# Allegro board FMDEMOD-before-back-annote.brd (continued)
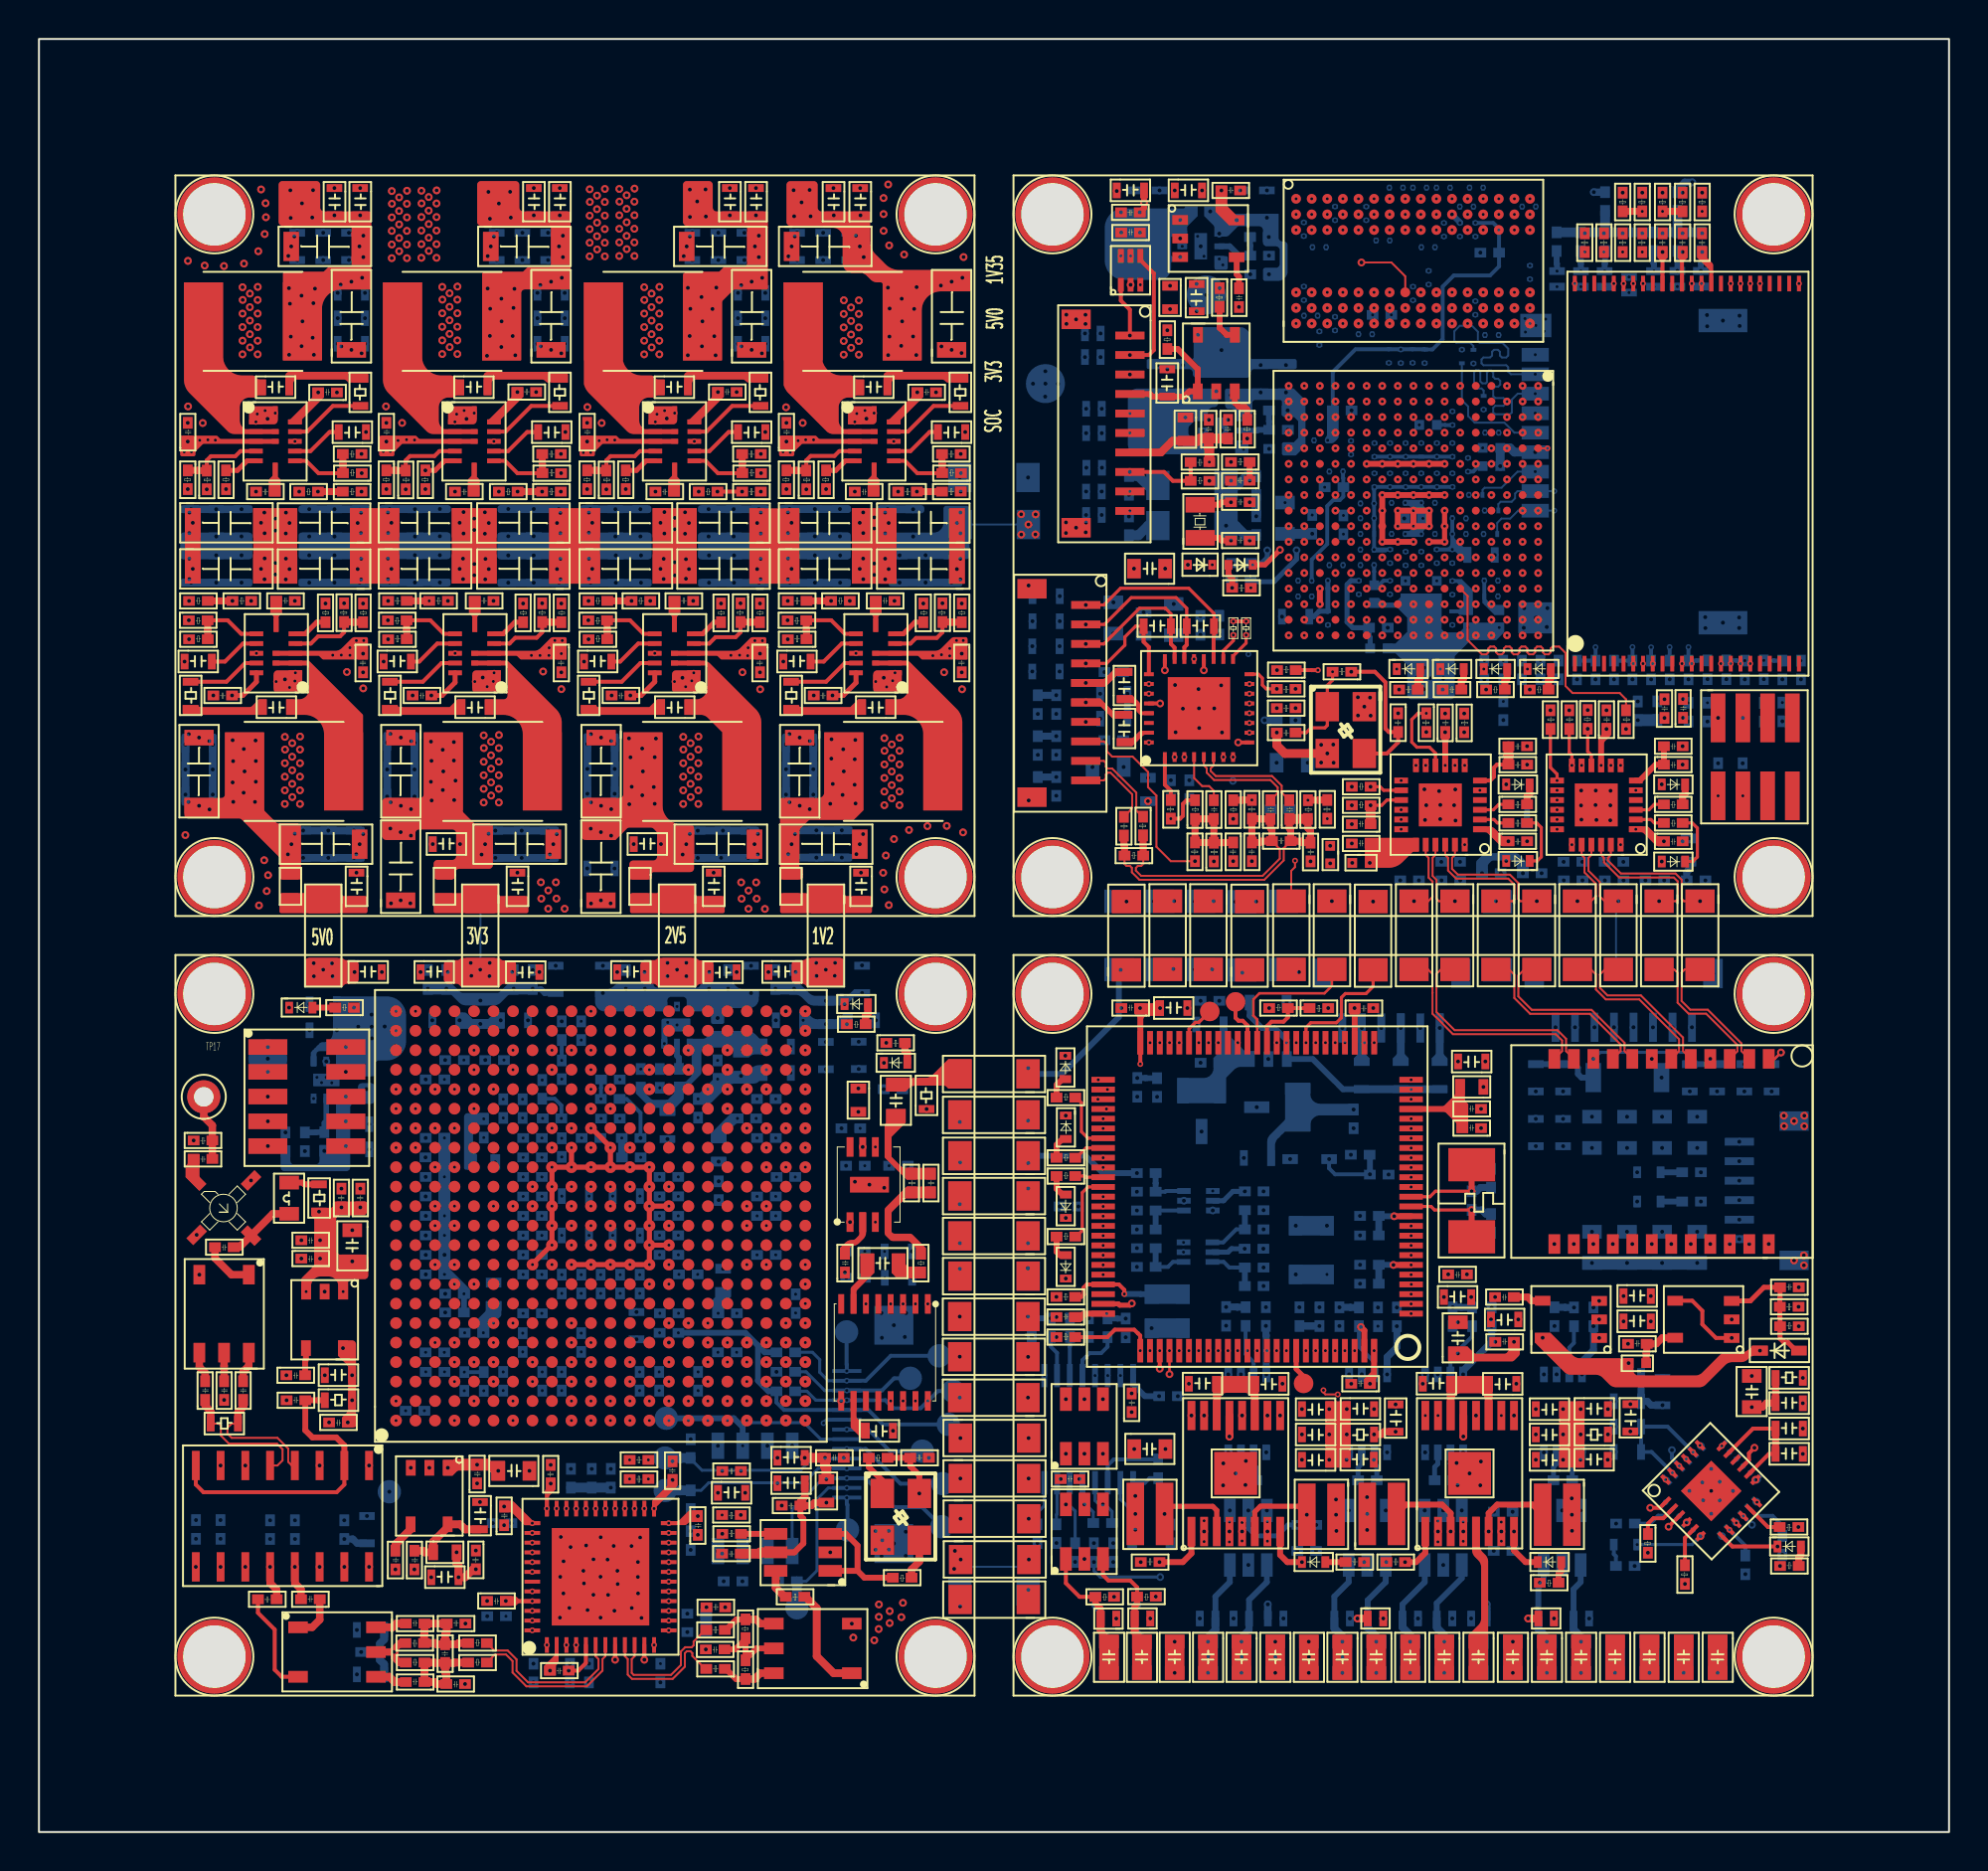
[diagram p0: board, top side]
## Routing (per net, layer and track width the routed paths; a pad name or vN(x,y) marks a point on that pad's centre or on a via; arc(x,y) is an arc through that point) (continued)
A7: length 27.5
  SIGNAL-L3 w0.1: v9(75.7,78.2) 76.06,78.56 77.43,78.56 77.89,78.1 77.89,77.87 77.79,77.77 77.3,77.77 77.19,77.67 77.19,77.47 77.3,77.37 77.79,77.37 77.89,77.27 77.89,77.17 77.99,77.07 78.63,77.07 78.73,76.97 78.73,76.77 78.63,76.67 77.99,76.67 77.89,76.57 77.89,76.37 77.99,76.27 78.63,76.27 78.73,76.17 78.73,75.97 78.63,75.87 77.99,75.87 77.89,75.77 77.89,75.48 77.48,75.07 77.25,75.07 77.15,75.17 77.15,76.96 77.05,77.06 76.87,77.06 76.75,76.95 76.75,75.17 76.65,75.07 76.45,75.07 76.35,75.17 76.35,76.9 75.98,76.9 75.95,76.87 75.95,76 75.85,75.9 75.2,75.9 75.1,75.8 75.1,75.6 75.2,75.5 75.85,75.5 75.95,75.4 75.95,75.17 75.85,75.07 75.07,75.07 74,74.01 74,73.4 73.64,73.04 71.3,73.04 70.9,72.64 70.9,72.22 v9(71.32,71.8)
A8: length 26.7
  SIGNAL-L7 w0.1: v13(76.5,83) 77.08,83 77.22,82.86 77.22,82.05 77.32,81.95 77.92,81.95 78.02,81.85 78.02,81.65 77.92,81.55 77.32,81.55 77.22,81.45 77.22,81.25 77.32,81.15 77.92,81.15 78.02,81.05 78.02,80.85 77.92,80.75 77.32,80.75 77.22,80.65 77.22,79.76 77.32,79.66 77.58,79.66 77.65,79.59 77.65,79.34 77.58,79.26 77.32,79.26 77.22,79.16 77.22,78.85 77.12,78.75 76.34,78.75 76.1,78.5 76.1,78.12 75.3,77.32 75.3,74.93 74.78,74.41 74.78,74.27 75.17,73.88 75.17,73.74 75.03,73.6 74.89,73.6 74.5,73.99 74.36,73.99 74.19,73.83 73.87,73.83 73.6,73.55 73.6,72.54 73.7,72.44 73.8,72.44 73.93,72.31 73.93,72.17 73.8,72.04 73.39,72.04 73.29,71.94 73.29,71.74 73.46,71.57 73.46,70.52 72.81,69.87 70.22,69.87 69.75,70.34 69.75,71.03 v13(70.52,71.8)
A9: length 29.5
  SIGNAL-L4 w0.1: v15(75.7,79) 78.59,79 79.53,78.06 79.53,77.46 79.63,77.36 80.31,77.36 80.41,77.26 80.41,77.06 80.31,76.96 79.42,76.96 79.32,76.86 79.32,76.66 79.42,76.56 80.31,76.56 80.41,76.46 80.41,76.26 80.31,76.16 79.42,76.16 79.32,76.06 79.32,75.86 79.42,75.76 80.31,75.76 80.41,75.66 80.41,75.46 80.31,75.36 79.42,75.36 79.32,75.26 79.32,75.06 79.42,74.96 80.31,74.96 80.41,74.86 80.41,74.66 80.31,74.56 79.42,74.56 79.32,74.46 79.32,74.26 79.42,74.16 80.31,74.16 80.41,74.06 80.41,73.86 80.31,73.76 79.42,73.76 79.32,73.66 79.32,73.31 79,73 74.95,73 74.61,73.34 72.84,73.34 72.52,73.02 69.3,73.02 v15(68.92,73.4)
A10: length 28.7
  SIGNAL-L3 w0.1: v9(68.12,71.8) 68.53,72.21 68.53,74.6 68.43,74.7 67.12,74.7 67.02,74.8 67.02,75 67.2,75.18 68.13,75.18 68.53,75.58 68.53,76.4 69.76,77.62 69.76,79.2 69.45,79.51 68.65,79.51 68.35,79.8 68.35,80.71 67.25,81.81 67.25,82.64 66.45,83.44 64.89,83.44 64.69,83.64 64.69,84.43 64.84,84.58 66.95,84.58 67.31,84.22 67.31,83.38 67.69,83 67.69,83 68.09,82.6 72.1,82.6 v9(72.5,82.2)
A11: length 28
  SIGNAL-L7 w0.1: v13(75.7,82.2) 75.7,83.55 76.07,83.92 76.98,83.92 78.44,82.46 78.44,79.8 78.21,79.57 78.21,78.77 75.83,76.4 75.83,73.7 74.44,72.31 74.44,69.88 74,69.44 69.42,69.44 68.94,69.91 68.94,71.18 69.27,71.5 69.27,71.92 69.65,72.3 69.65,72.53 v13(69.72,72.6)
A12: length 26.6
  SIGNAL-L7 w0.1: v13(68.92,71.8) 68.92,72.13 69.19,72.39 69.19,73.05 69.29,73.15 69.91,73.15 70.01,73.25 70.01,73.45 69.91,73.55 69.29,73.55 69.19,73.65 69.19,73.85 69.29,73.95 69.91,73.95 70.01,74.05 70.01,74.25 69.91,74.35 69.29,74.35 69.19,74.45 69.19,75.19 68.99,75.38 68.99,75.53 69.13,75.67 69.27,75.67 69.61,75.33 69.75,75.33 70.61,76.2 70.61,76.34 70.47,76.48 70.33,76.48 70.26,76.4 70.12,76.4 69.97,76.55 69.97,76.69 70.05,76.76 70.05,76.9 69.87,77.09 69.87,77.23 70.01,77.37 70.15,77.37 70.62,76.9 71.1,76.9 71.52,77.32 71.52,78.22 72.1,78.8 72.1,80.06 71.81,80.35 71.81,80.49 71.95,80.63 72.1,80.63 72.44,80.29 72.58,80.29 72.72,80.43 72.72,80.57 72.38,80.92 72.38,81.06 72.52,81.2 72.66,81.2 73.01,80.85 73.15,80.85 73.31,81.02 73.31,81.54 73.21,81.64 72.18,81.64 72.08,81.74 72.08,81.94 72.18,82.04 73.21,82.04 73.31,82.14 73.31,83.67 73.41,83.78 74,83.78 74.1,83.67 v13(74.1,82.2)
A13: length 26.1
  SIGNAL-L3 w0.1: v9(71.32,72.6) 73.8,72.6 74.5,73.31 74.5,73.94 75.23,74.67 78.25,74.67 79.11,75.52 79.11,76.09 79.2,76.19 79.99,76.19 80.09,76.29 80.09,76.49 79.99,76.59 79.2,76.59 79.11,76.69 79.11,76.89 79.2,76.99 79.99,76.99 80.09,77.09 80.09,77.29 79.99,77.39 79.2,77.39 79.11,77.49 79.11,77.72 79.2,77.82 80.53,77.82 80.63,77.92 80.63,78.12 80.53,78.22 80.31,78.22 80.21,78.32 80.21,80.22 79.98,80.46 79.53,80.46 79.3,80.22 79.3,79.42 79.66,79.06 79.66,78.43 79.46,78.22 78.96,78.22 78.75,78.43 78.75,78.84 78.59,79 v9(76.5,79)
A14: length 26.4
  SIGNAL-L7 w0.1: v13(76.5,82.2) 76.12,81.82 76.12,81.48 75.64,81 75.64,80.86 75.8,80.7 75.94,80.7 76.45,81.21 76.59,81.21 76.74,81.07 76.74,80.93 76.23,80.42 76.23,80.28 76.6,79.9 76.6,79.76 76.46,79.62 76.32,79.62 75.36,80.58 75.21,80.58 75.07,80.44 75.07,80.3 76.03,79.34 76.03,79.2 75.89,79.06 75.75,79.06 74.79,80.01 74.65,80.01 74.46,79.83 74.46,79.6 74.58,79.48 74.83,79.48 75.16,79.15 75.16,79.01 75.02,78.86 74.42,78.86 74.31,78.75 74.31,78.55 74.62,78.23 74.93,78.23 75.29,78.59 75.43,78.59 75.6,78.42 75.6,78.25 74.85,77.49 73.94,77.49 73.84,77.39 73.84,77.22 73.91,77.16 74.43,77.16 74.56,77.03 74.56,76.91 74.47,76.81 74.02,76.81 73.92,76.72 73.92,76.52 74.04,76.4 74.68,76.4 74.84,76.24 74.84,76.04 74.74,75.94 74.04,75.94 73.94,75.84 73.94,75.64 74.04,75.54 74.74,75.54 74.84,75.44 74.84,75.24 74.74,75.14 74.49,75.14 74.39,75.04 74.39,74.78 74.18,74.58 73.96,74.58 73.86,74.68 73.86,74.86 73.76,74.96 73.56,74.96 73.46,74.86 73.46,74.68 73.36,74.58 72.5,74.58 v13(72.12,74.2)
A15: length 27.2
  SIGNAL-L3 w0.1: v9(73.3,82.2) 73.3,81.87 73.14,81.71 71.52,81.71 71.42,81.61 71.42,81.47 71.52,81.37 73.23,81.37 73.33,81.27 73.33,81.1 73.2,80.97 71.34,80.97 71.01,81.3 69.28,81.3 69.15,81.17 69.15,80.95 69.25,80.84 70.6,80.84 70.7,80.75 70.7,80.56 70.6,80.46 68.95,80.46 68.79,80.3 68.79,80.06 68.91,79.95 70.29,79.95 70.47,79.77 70.47,76.8 70.09,76.42 69.41,76.42 69.31,76.32 69.31,76.18 69.41,76.08 70.21,76.08 70.31,75.98 70.31,75.78 70.21,75.68 69.41,75.68 69.22,75.5 69.22,75.36 69.4,75.19 69.55,75.19 69.65,75.09 69.65,74.86 69.31,74.51 69.31,71.41 v9(69.72,71)
A_DEMP: length 6
  SIGNAL-L3 w0.1: v9(38.32,23.11) 38.78,22.65 43.49,22.65 43.7,22.45 v9(43.7,22.12)
A_FMT: length 7.8
  SIGNAL-L3 w0.1: v9(44.97,22.12) 44.97,22.74 44.05,23.66 38.77,23.66 v9(38.32,24.11)
A_MUTE: length 5.7
  SIGNAL-L3 w0.1: v9(44.33,22.12) 44.33,22.62 43.84,23.11 v9(39.32,23.11)
AD0: length 15.1
  SIGNAL-L3 w0.1: v9(37.32,22.11) 37.8,21.63 37.8,19.96 37.64,19.79 37.64,14.63 36.58,13.57 36.44,13.57 36.39,13.63 36.24,13.63 36.1,13.49 36.1,13.35 36.16,13.29 36.16,13.15 35.86,12.85 35.66,12.85 35.56,12.75 35.56,12.67 35.46,12.57 35.26,12.57 35.16,12.67 35.16,12.75 35.06,12.85 34.86,12.85 34.76,12.75 34.76,12.67 34.66,12.57 34.46,12.57 34.36,12.67 34.36,12.75 34.26,12.85 34.06,12.85 33.96,12.75 33.96,12.67 33.86,12.57 33.66,12.57 33.56,12.67 33.56,12.75 33.46,12.85 v9(32.31,12.85)
AD1: length 14.6
  SIGNAL-L3 w0.1: v9(37.32,21.11) 37.32,20.15 36.89,19.72 36.89,19.1 37.27,18.71 37.27,18.08 37.17,17.98 36.76,17.98 36.66,17.88 36.66,17.68 36.76,17.58 37.17,17.58 37.27,17.48 37.27,17.28 37.17,17.18 36.76,17.18 36.66,17.08 36.66,16.88 36.76,16.78 37.17,16.78 37.27,16.68 37.27,16.48 37.17,16.38 36.76,16.38 36.66,16.28 36.66,15.18 36.06,14.58 36.06,14.44 36.14,14.36 36.14,14.22 35.99,14.08 35.85,14.08 35.78,14.16 35.63,14.16 35.49,14.02 35.49,13.87 35.57,13.8 35.57,13.66 35.43,13.51 35.29,13.51 35.21,13.59 35.07,13.59 34.82,13.35 v9(32.31,13.35)
AD2: length 14.5
  SIGNAL-L3 w0.1: v9(32.31,13.85) 34.56,13.85 34.88,14.16 34.88,14.3 34.66,14.52 34.66,14.66 34.8,14.8 34.94,14.8 35.16,14.58 35.3,14.58 35.54,14.83 35.54,17.67 35.44,17.77 35.08,17.77 34.98,17.87 34.98,18.01 35.08,18.11 36.13,18.11 36.45,18.43 36.45,19 36.27,19.19 35.87,19.19 35.77,19.29 35.77,19.51 36.81,20.56 36.81,21.62 v9(36.32,22.11)
AD3: length 12.4
  SIGNAL-L3 w0.1: v9(36.32,21.11) 36.32,20.71 34.99,19.38 34.85,19.38 34.57,19.66 34.43,19.66 34.29,19.52 34.29,19.38 34.57,19.1 34.57,18.96 34.36,18.75 34.36,17.61 34.26,17.51 33.77,17.51 33.67,17.41 33.67,17.21 33.77,17.11 34.26,17.11 34.36,17.01 34.36,16.01 34.13,15.78 33.77,15.78 33.67,15.68 33.67,15.51 33.77,15.41 34.26,15.41 34.36,15.31 34.36,15.11 33.59,14.35 v9(32.31,14.35)
AD4: length 14.5
  SIGNAL-L3 w0.1: v9(32.31,14.85) 32.96,14.85 33.22,15.1 33.22,17.09 33.11,17.19 32.18,17.19 32.08,17.29 32.08,17.49 32.18,17.59 33.11,17.59 33.22,17.69 33.22,18.06 33.31,18.16 33.82,18.16 33.92,18.26 33.92,18.46 33.82,18.56 33.31,18.56 33.22,18.66 33.22,18.94 33.55,19.27 33.55,19.42 33.34,19.63 33.34,19.77 33.48,19.91 33.62,19.91 33.84,19.7 33.98,19.7 34.12,19.84 34.12,19.98 33.9,20.2 33.9,20.34 34.05,20.48 34.19,20.48 34.4,20.26 34.54,20.26 34.82,20.54 35.6,20.54 35.8,20.73 35.8,21.64 v9(35.32,22.11)
AD5: length 14.6
  SIGNAL-L7 w0.1: v13(35.32,21.11) 35.55,20.88 35.55,19.49 35.65,19.39 36.2,19.39 36.3,19.29 36.3,19.09 36.2,18.99 35.65,18.99 35.55,18.89 35.55,18.69 35.65,18.59 36.2,18.59 36.3,18.49 36.3,18.29 36.2,18.19 35.65,18.19 35.55,18.09 35.55,17.89 35.65,17.79 36.2,17.79 36.3,17.69 36.3,17.49 36.2,17.39 35.65,17.39 35.55,17.29 35.55,16.54 34.9,15.88 33.34,15.88 32.95,16.27 32.95,16.92 32.62,17.25 31.39,17.25 31.06,16.92 v13(31.06,16.6)
AD6: length 14.1
  SIGNAL-L7 w0.1: v13(30.56,16.6) 30.56,17.17 31.06,17.67 31.47,17.67 31.93,18.13 33.05,18.13 33.36,17.82 33.36,17.28 33.9,16.74 34.4,16.74 34.5,16.84 34.5,17.31 34.4,17.41 33.97,17.41 33.87,17.51 33.87,17.71 33.97,17.81 34.4,17.81 34.5,17.91 34.5,18.18 34.28,18.4 34,18.4 33.9,18.5 33.9,18.7 34,18.8 34.28,18.8 34.38,18.9 34.38,19.1 34.28,19.2 34,19.2 33.9,19.3 33.9,19.5 34,19.6 34.28,19.6 34.38,19.7 34.38,19.93 34.82,20.37 34.82,21.61 v13(34.32,22.11)
AD7: length 14.6
  SIGNAL-L7 w0.1: v13(30.06,16.6) 30.06,17.15 30.29,17.38 30.29,17.74 30.72,18.17 31.17,18.17 31.64,18.64 33.01,18.64 33.11,18.74 33.11,18.94 33.01,19.04 31.64,19.04 31.54,19.14 31.54,20.14 31.89,20.49 32.12,20.49 32.22,20.39 32.22,19.47 32.32,19.37 32.52,19.37 32.62,19.47 32.62,20.39 32.72,20.49 32.92,20.49 33.02,20.39 33.02,19.47 33.12,19.37 33.32,19.37 33.42,19.47 33.42,20.39 33.52,20.49 33.7,20.49 v13(34.32,21.11)
AD8: length 13.6
  SIGNAL-L3 w0.1: v9(28.06,16.6) 28.06,17.3 28.74,17.98 28.96,17.98 29.06,17.88 29.06,17.43 29.16,17.33 29.36,17.33 29.46,17.43 29.46,17.88 29.56,17.98 29.76,17.98 29.86,17.88 29.86,17.43 29.96,17.33 30.16,17.33 30.26,17.43 30.26,17.46 30.48,17.69 30.66,17.51 30.66,17.43 30.76,17.33 30.96,17.33 31.06,17.43 31.06,17.66 31.09,17.69 31.44,17.69 31.69,17.94 31.75,17.94 31.76,17.92 31.9,17.92 32.04,18.06 32.04,18.2 31.82,18.43 31.82,18.57 31.96,18.71 32.1,18.71 32.33,18.49 32.47,18.49 32.61,18.63 32.61,18.77 32.39,18.99 32.39,19.13 32.8,19.55 32.8,20.11 32.9,20.21 33.17,20.21 33.27,20.31 33.27,20.51 33.17,20.61 32.9,20.61 32.8,20.71 32.8,21.63 v9(32.32,22.11)
AD9: length 12.9
  SIGNAL-L3 w0.1: v9(27.56,16.6) 27.56,18.12 27.46,18.22 27.11,18.22 26.99,18.33 26.99,18.52 27.09,18.62 27.46,18.62 27.56,18.72 27.56,19.06 27.71,19.21 28.13,19.21 28.34,19 28.34,18.58 28.45,18.47 28.64,18.47 28.75,18.58 28.75,19.11 28.84,19.22 29.05,19.22 29.14,19.11 29.14,18.49 29.25,18.39 29.45,18.39 29.55,18.49 29.55,18.87 29.64,18.97 29.79,18.97 29.89,18.87 29.89,18.56 29.96,18.49 30.07,18.49 30.18,18.6 30.64,18.6 30.84,18.8 30.84,19.27 31.09,19.52 31.83,19.52 32.32,20.01 v9(32.32,21.11)
AD10: length 14.2
  SIGNAL-L3 w0.1: v9(31.32,22.11) 31.82,21.61 31.82,20.5 31.32,20 30.73,20 30.63,19.9 30.63,19.78 30.53,19.68 30.33,19.68 30.23,19.78 30.23,19.9 30.13,20 29.93,20 29.83,19.9 29.83,19.78 29.73,19.68 29.53,19.68 29.43,19.78 29.43,19.9 29.33,20 29.13,20 29.03,19.9 29.03,19.78 28.93,19.68 28.73,19.68 28.63,19.78 28.63,19.9 28.53,20 28.33,20 28.23,19.9 28.23,19.78 28.13,19.68 27.93,19.68 27.83,19.78 27.83,19.9 27.73,20 27.53,20 27.43,19.9 27.43,19.78 27.33,19.68 27.13,19.68 27.03,19.78 27.03,19.9 26.93,20 26.55,20 26.38,19.82 26.38,19.61 26.58,19.4 26.86,19.4 26.96,19.3 26.96,19.16 26.86,19.06 26.36,19.06 26.16,18.86 26.16,18.59 26.91,17.85 26.91,17.59 27.06,17.44 v9(27.06,16.6)
AD11: length 14.3
  SIGNAL-L3 w0.1: v9(31.32,21.11) 31.32,20.76 31.06,20.5 24.81,20.5 24.69,20.38 24.69,20.16 24.79,20.06 25.67,20.06 25.77,19.95 25.77,19.75 25.67,19.66 24.79,19.66 24.69,19.56 24.69,17.82 24.89,17.62 25.98,17.62 26.1,17.5 26.11,17.5 26.56,17.05 v9(26.56,16.6)
AD12: length 14.8
  SIGNAL-L7 w0.1: v13(25.31,14.85) 24.98,14.85 24.73,15.1 24.73,16.52 25.05,16.84 25.28,16.84 25.38,16.94 25.38,17.33 25.48,17.43 25.68,17.43 25.78,17.33 25.78,16.94 25.88,16.84 26.08,16.84 26.18,16.94 26.18,17.33 26.28,17.43 26.48,17.43 26.58,17.33 26.58,16.94 26.68,16.84 29.33,16.84 29.77,17.29 29.77,18.06 30.81,19.1 30.81,21.62 v13(30.32,22.11)
AD13: length 14.9
  SIGNAL-L7 w0.1: v13(25.31,14.35) 24.77,14.35 23.8,15.32 23.8,17.18 24.74,18.13 27.39,18.13 27.49,18.23 27.49,18.63 27.59,18.73 27.79,18.73 27.89,18.63 27.89,18.23 27.99,18.13 28.19,18.13 28.29,18.23 28.29,18.63 28.39,18.73 28.59,18.73 28.69,18.63 28.69,18.23 28.79,18.13 29.04,18.13 30.32,19.41 v13(30.32,21.11)
AD14: length 14.4
  SIGNAL-L7 w0.1: v13(29.32,22.11) 29.83,21.61 29.83,20.39 28.62,19.17 25.12,19.17 23.36,17.42 23.36,15.15 24.66,13.85 v13(25.31,13.85)
AD15: length 14.7
  SIGNAL-L7 w0.1: v13(29.32,21.11) 29.32,20.83 28.27,19.77 27.47,19.77 27.37,19.87 27.37,19.94 27.27,20.04 27.07,20.04 26.97,19.94 26.97,19.87 26.87,19.77 26.67,19.77 26.57,19.87 26.57,19.94 26.47,20.04 26.27,20.04 26.17,19.94 26.17,19.87 26.07,19.77 25.87,19.77 25.77,19.87 25.77,19.94 25.67,20.04 25.47,20.04 25.37,19.94 25.37,19.87 25.27,19.77 24.89,19.77 22.92,17.8 22.92,14.92 24.5,13.35 v13(25.31,13.35)
AD_DITH: length 14.3
  SIGNAL-L3 w0.1: v9(32.31,12.35) 32.93,12.35 33.16,12.12 37.01,12.12 38.32,13.43 v9(38.32,21.11)
AD_PGA: length 25.2
  SIGNAL-L3 w0.1: v9(25.31,10.85) 23.92,10.85 23.48,11.29 23.48,12.31 23.82,12.65 23.82,15.33 23.33,15.82 23.33,17.11 24.14,17.93 24.14,19.06 23.82,19.38 23.82,24.46 24.93,25.58 31.86,25.58 v8(32.32,25.11)
AD_RAND: length 23
  SIGNAL-L4 w0.1: v15(32.32,26.11) 31.84,26.59 26.29,26.59 25.82,26.13 25.82,20.83 24.38,19.38 24.38,11.65 24.68,11.35 v15(25.31,11.35)
ADC_3V3: length 2.4
  TOP w0.4: v3(22.42,13.48) 22.27,13.48 21.86,13.07 v3(21.53,13.07) 21.53,13.66 21.43,13.76 v3(21.43,14.35)
  vias: v1(26.06,9.6) v1(27.06,9.6) v1(27.56,9.6) v1(31.56,9.6) v1(32.31,10.85) v1(32.31,10.35) v2(31.88,8.64) v3(34.25,11.53) v4(25.37,8.64) v4(27.24,8.64) v4(28.22,8.64) v4(33.27,11.2) v4(33.27,10.26)
AIN+: length 8.5
  TOP w0.1: R239.1 23.36,9.31 24.04,9.31 24.5,8.86 24.5,8.27 25.09,7.68 28.02,7.68 28.71,8.37 28.71,8.87 28.56,9.02 U36.6
AIN-: length 8.8
  TOP w0.1: U36.7 29.06,9.02 28.91,8.87 28.91,8.28 28.11,7.48 25.01,7.48 24.3,8.19 24.3,8.77 23.96,9.11 23.39,9.11 R240.1
ARM_ONOFF: length 24.6
  SIGNAL-L3 w0.1: v8(66.34,47.76) 65.62,48.48 65.62,49.96 65.6,49.98 65.6,53.19 64.47,54.32 v8(64.47,57.67) 63.98,58.16 63.19,58.16 62.95,58.41 62.95,60.05 63.58,60.67 63.58,64.84 63.76,65.03 64.38,65.03 64.54,65.2 64.54,67.3 64.69,67.45 65.28,67.45 65.44,67.61 65.44,68.32 v9(65.72,68.6)
ASDO: length 28.5
  SIGNAL-L8 w0.1: 34.84,20.44 v6(34.84,19.82) ; 34.84,20.44 40.85,20.44 41.07,20.66 v7(41.45,20.66) ; 34.84,20.44 27.64,20.44 25.68,22.4 23.21,22.4 22.45,23.15 21.44,23.15 21.02,22.73 21.02,21.41 v17(21.32,21.11)
  BOTTOM w0.2: TP33.1 43.66,19.54 42.55,20.66 v7(41.45,20.66)
AUD_INT: length 12.3
  SIGNAL-L4 w0.1: v15(62.11,58.91) 62.11,59.46 62.67,60.02 62.67,64.37 63.18,64.88 63.8,64.88 63.94,65.03 64.3,65.03 64.44,64.88 64.6,64.88 64.74,65.03 65.16,65.03 65.3,65.17 65.3,67.22 65.43,67.35 66.07,67.35 v15(66.52,67.8)
AUDIO_5V:
  vias: v1(42.43,27.1) v1(42.91,35.15) v1(42.91,31.29) v2(42.13,36.11) v2(42.37,34.19) v2(42.37,29.79) v2(42.38,28.44) v2(43.39,29.79) v2(43.4,28.44) v2(43.62,34.19) v3(42.04,36.95)
AUDIO_OUT: length 7.9
  SIGNAL-L3 w0.2: v8(50.75,39.2) 52.22,39.2 55.5,42.48 v8(55.5,44.23)
BA0: length 26.6
  SIGNAL-L8 w0.1: v17(68.12,74.2) 67.89,74.43 67.76,74.43 67.65,74.32 67.65,73.85 67.72,73.78 68.5,73.78 68.63,73.64 68.84,73.64 68.95,73.75 68.95,74.2 68.79,74.37 68.79,74.46 68.69,74.56 68.25,74.56 67.96,74.85 67.96,75.2 68.03,75.27 68.3,75.27 68.61,74.96 68.8,74.96 68.99,75.16 68.99,75.3 68.88,75.41 68.88,75.5 68.72,75.66 68.72,75.89 68.9,76.07 69.27,76.07 69.63,75.72 70.73,75.72 70.83,75.82 70.83,76.13 70.57,76.4 69.7,76.4 69.3,76.8 69.3,77.07 69.43,77.2 69.57,77.2 70,76.76 70.32,76.76 70.48,76.92 70.48,77.14 69.71,77.91 69.71,78.26 69.82,78.36 69.96,78.36 70.54,77.78 70.92,77.78 70.97,77.83 70.97,78.18 71.04,78.25 71.43,78.25 71.52,78.16 71.52,76.91 71.62,76.81 71.88,76.81 71.98,76.91 71.98,77.83 72.05,77.9 72.28,77.9 72.4,77.78 72.4,76.62 72.5,76.52 72.82,76.52 72.92,76.62 72.92,76.92 73.03,77.04 73.15,77.04 73.22,76.97 73.22,76.56 73.35,76.43 73.49,76.43 73.59,76.53 73.59,76.94 73.69,77.04 73.8,77.04 73.9,77.14 73.9,77.32 73.8,77.42 73.02,77.42 72.92,77.52 72.92,77.82 v17(73.3,78.2)
BA1: length 26.1
  SIGNAL-L3 w0.1: v9(74.1,83) 73.57,83.53 73.57,83.81 72.86,84.52 68.72,84.52 68.51,84.31 68.51,83.72 68.8,83.43 70.29,83.43 70.5,83.64 70.5,84.06 70.65,84.21 71.11,84.21 71.3,84.02 71.3,83.6 71.5,83.41 72.73,83.41 72.9,83.24 72.9,82.72 73.01,82.61 73.41,82.61 73.71,82.32 73.71,81.56 73.81,81.46 74.07,81.46 74.17,81.36 74.17,81.16 74.07,81.06 73.81,81.06 73.71,80.96 73.71,80.76 73.81,80.66 74.07,80.66 74.17,80.56 74.17,80.36 74.07,80.26 73.81,80.26 73.71,80.16 73.71,79.93 73.81,79.83 74.11,79.83 74.21,79.73 74.21,79.53 74.11,79.43 73.81,79.43 73.71,79.33 73.71,75.98 73.42,75.69 72.49,75.69 71.32,74.53 v9(71.32,74.2)
BA2: length 26.7
  SIGNAL-L3 w0.1: v9(69.72,73.4) 70.14,73.82 70.14,74.75 70.9,75.52 70.9,75.66 70.6,75.96 70.6,76.11 70.7,76.21 70.84,76.21 71.16,75.89 71.52,75.89 71.65,76.02 71.65,76.22 71.55,76.33 71.13,76.33 70.93,76.53 70.93,76.79 71.03,76.89 71.17,76.89 71.36,76.7 71.56,76.7 71.66,76.8 71.66,76.94 71.56,77.05 71.42,77.05 71.29,77.17 71.29,79.18 71.45,79.34 71.97,79.34 72.11,79.2 72.11,77.98 72.29,77.8 72.63,77.8 72.88,77.56 72.88,77.13 72.64,76.9 72.44,76.9 72.35,76.81 72.35,76.08 72.47,75.97 73.23,75.97 73.33,76.07 73.33,76.21 73.23,76.31 72.83,76.31 72.73,76.41 72.73,76.58 72.83,76.68 73.17,76.68 73.42,76.93 73.42,77.52 72.89,78.05 72.89,79.32 72.77,79.44 72.38,79.44 72.13,79.69 71.33,79.69 71.21,79.81 71.21,80.43 71.32,80.54 72.08,80.54 72.18,80.44 72.18,80.15 72.28,80.05 72.54,80.05 72.64,80.15 72.64,80.48 72.74,80.58 73.11,80.58 73.3,80.39 v9(73.3,79)
BOOT0: length 2.4
  SIGNAL-L7 w0.1: v13(65.5,24.7) 65.5,25.39 65.7,25.59 v14(65.7,25.96)
  BOTTOM w0.38: R405.2 v14(65.7,25.96)
BOOT1: length 3.7
  TOP w0.2: R406.1 R407.1 64.08,41.8 63.86,41.58 63.24,41.58 63.01,41.34 U3.37
BOOT_MODE0: length 6.6
  SIGNAL-L7 w0.1: v14(60.91,69.09) 61.45,69.09 61.69,68.85 62.74,68.85 62.96,68.64 63.28,68.64 v13(64.92,67)
  BOTTOM w0.5: v14(60.91,69.09) 61.49,69.09 61.96,69.56 R136.2
BOOT_MODE1: length 7.8
  SIGNAL-L7 w0.1: v13(64.12,67) 62.64,68.48 61.62,68.48 61.42,68.68 60.78,68.68 60.35,68.25 60.35,67.58 v14(60.91,67.03)
  BOTTOM w0.5: R135.2 61.88,66.55 61.4,67.03 v14(60.91,67.03)
CAS: length 17
  SIGNAL-L8 w0.1: v17(71.7,79) 71.7,79.46 72.19,79.95 75.37,79.95 76.05,79.28 76.05,76.09 74.78,74.82 74.78,72.93 74.29,72.44 73.37,72.44 73.09,72.72 71.2,72.72 v17(70.52,73.4)
CK0N: length 30
  SIGNAL-L7 w0.1: v13(66.52,73.4) 66.52,73.73 66.76,73.97 66.77,73.97 66.9,74.1 66.9,75.02 66.68,75.24 65.93,75.24 65.83,75.34 65.83,75.54 65.93,75.64 66.37,75.64 66.69,75.96 66.69,76.33 66.84,76.48 67.22,76.48 67.43,76.69 67.63,76.69 67.96,77.01 67.96,78.85 67.11,79.69 66.54,79.69 66.33,79.9 66.33,80.7 66.81,81.18 66.95,81.18 67.17,80.96 67.17,80.31 67.81,79.66 68.32,79.66 68.55,79.88 68.55,81.15 68.6,81.2 68.81,81.2 68.91,81.1 68.91,79.64 69.12,79.44 69.59,79.44 69.78,79.63 69.78,81.18 69.88,81.28 70.02,81.28 70.18,81.12 70.18,79.39 69.74,78.94 69.74,78.26 70.19,77.81 70.76,77.81 71.21,78.26 71.21,78.64 70.98,78.87 70.98,79.59 71.37,79.98 71.37,81.06 v19(71.62,81.31) 71.62,81.36 71.42,81.56 71.42,81.92 v13(71.7,82.2)
CK0P: length 29
  SIGNAL-L7 w0.1: v13(66.52,74.2) 66.52,74.36 66.69,74.53 66.69,74.93 66.59,75.03 65.85,75.03 65.62,75.25 65.62,75.63 65.85,75.85 66.28,75.85 66.48,76.05 66.48,76.42 66.75,76.69 67.13,76.69 67.27,76.83 67.34,76.9 67.51,76.9 67.75,77.14 67.75,78.76 67.03,79.48 66.45,79.48 66.12,79.82 66.12,80.78 66.72,81.39 67.04,81.39 67.38,81.05 67.38,80.39 67.9,79.87 68.24,79.87 68.34,79.97 68.34,81.23 68.51,81.41 68.89,81.41 69.12,81.18 69.12,79.78 69.22,79.67 69.48,79.67 69.57,79.76 69.57,81.27 69.79,81.49 70.11,81.49 70.39,81.21 70.39,79.3 69.95,78.86 69.95,78.35 70.27,78.02 70.67,78.02 71,78.35 71,78.56 70.77,78.79 70.77,79.67 71.16,80.06 71.16,80.75 70.92,80.99 v19(70.92,81.31) 71.18,81.57 71.18,81.92 v13(70.9,82.2)
CKE0: length 15.3
  SIGNAL-L8 w0.1: v7(71.7,84.37) 71.7,84.37 v17(71.7,83.8) 71.7,83.46 70.65,82.41 70.24,82.41 69.84,82.01 69.84,80.74 67.93,78.83 67.93,77 66.64,75.71 66.64,73.04 67.09,72.6 v17(68.12,72.6)
CKE1: length 19.4
  SIGNAL-L8 w0.1: v7(71.19,84.37) 71.19,84.09 v17(70.9,83.8) 70.9,83.41 70.45,82.95 69.45,82.95 68.77,82.27 68.77,80.61 67.41,79.25 67.41,77.45 66.11,76.16 66.11,72.67 66.85,71.93 69.15,71.93 69.55,72.33 70.25,72.33 v17(70.52,72.6)
CLK2FPGA: length 15.1
  SIGNAL-L8 w0.1: v17(24.32,21.11) 24.01,20.8 24.01,19.81 25.42,18.4 33.24,18.4 35.06,16.58 v11(35.06,15.3)
CLK_3V3: length 16.5
  TOP w0.3: R254.2 C215.2 44.7,18.77 45.17,18.3 v3(45.17,17.37) ; C291.2 39.07,16.22 39.22,16.07 39.22,14.81 38.76,14.35 U39.5
  TOP w0.36: v3(40.4,16.9) 39.79,16.9 39.64,16.75 C291.2 39.07,16.97 39.3,17.2 39.3,17.89 C290.2
  TOP w0.5: U39.5 37.02,14.35 36.96,14.28 C214.2
  PWR-L6 w0.38: v3(45.17,17.37) 44.3,16.5 40.8,16.5 v3(40.4,16.9)
CLK_AD+: length 8.3
  SIGNAL-L4 w0.1: v15(31.27,19.09) 31.27,19 31.52,18.75 32.91,18.75 33.2,18.46 33.75,18.46 34.03,18.74 34.03,19.38 33.74,19.67 32.92,19.67 32.48,20.11 32.48,21.35 32.85,21.72 33.22,21.72 33.32,21.82 v15(33.32,22.11)
CLK_AD-: length 8.3
  SIGNAL-L4 w0.1: v15(33.32,21.11) 33.32,21.41 33.22,21.51 32.93,21.51 32.69,21.26 32.69,20.2 33.01,19.88 33.83,19.88 34.24,19.47 34.24,18.65 33.84,18.25 33.11,18.25 32.82,18.54 31.57,18.54 31.27,18.23 v15(31.27,18.11)
CLKO+: length 7.9
  SIGNAL-L4 w0.1: v15(30.31,19.09) 30.31,19.03 29.99,18.71 27.02,18.71 26.79,18.48 26.79,17.75 27.01,17.52 29.06,17.52 29.21,17.38 29.21,17.03 29.06,16.89 v15(29.06,16.6)
CLKO-: length 7.6
  SIGNAL-L4 w0.1: v15(29.56,16.6) 29.56,16.89 29.41,17.03 29.41,17.47 29.15,17.73 27.1,17.73 27,17.83 27,18.39 27.11,18.5 29.99,18.5 30.31,18.18 v15(30.31,18.11)
CONF_DONE: length 40
  SIGNAL-L8 w0.1: v7(41.45,17.66) 42.09,17.66 43.69,19.25 43.69,25.43 41.12,27.99 37.09,27.99 36,29.09 36,34.59 34.35,36.25 32.76,36.25 30.9,38.11 v17(29.32,38.11)
  BOTTOM w0.15: v7(41.45,17.66) 40.49,17.66 39.92,17.08 39.92,13.42 39.37,12.86 R231.1
  BOTTOM w0.5: R231.1 TP39.1
CPU_RST_FPGA: length 14.9
  TOP w0.1: v17(64.44,49.84) 64.44,49.51 64.25,49.32 R208.1
  SIGNAL-L8 w0.1: v17(64.44,49.84) 64.44,51.17 65.09,51.81 65.09,56.66 67.32,58.9 v17(67.32,61.4)
CPU_RST_MCU: length 33.8
  SIGNAL-L4 w0.1: v23(62.05,60.43) 62.05,59.98 61.38,59.31 61.38,56.62 62.01,55.98 62.01,55.47 62.67,54.82 64.77,54.82 65.33,54.26 67.61,54.26 68.27,53.59 68.27,52.61 70.2,50.69 73.1,50.69 74.09,49.7 74.09,48.47 v16(74.83,47.73)
  SIGNAL-L8 w0.1: v17(68.12,63) 67.6,63.52 65.94,63.52 65.68,63.78 62.38,63.78 60.93,62.34 60.93,60.67 61.17,60.43 v23(62.05,60.43)
CPU_UART1_RXD: length 37.5
  SIGNAL-L8 w0.1: v17(55.51,80.87) 55.51,75.7 55.08,75.28 55.08,74.42 55.33,74.17 55.33,62.72 55.88,62.16 55.88,60.89 56.31,60.46 57.9,60.46 59.23,59.13 60.09,59.13 60.34,59.38 61.76,59.38 62.3,58.84 64.45,58.84 65.02,59.41 65.02,60.73 66.26,61.97 69.49,61.97 v17(69.72,62.2)
CPU_UART1_TXD: length 27.8
  SIGNAL-L8 w0.1: v17(56.51,79.39) 57.38,79.39 58.03,78.74 62.14,78.74 62.95,77.94 62.95,75.4 63.34,75 63.34,72.35 63.87,71.81 63.87,70.48 63.47,70.08 63.47,68.31 64.14,67.63 67.09,67.63 68.06,66.67 69.24,66.67 70.52,65.39 70.52,63.98 70.34,63.8 v17(69.72,63.8)
CPU_UART2_RXD: length 26
  SIGNAL-L3 w0.1: v12(50.73,37.2) 51.18,37.2 56.01,42.03 56.01,42.49 57.39,43.87 v12(57.39,44.24)
  SIGNAL-L7 w0.1: v14(62.83,31.91) 61.45,31.91 60.93,32.43 57.12,32.43 56.79,32.09 55.75,32.09 54.99,32.85 53.56,32.85 52.74,33.68 52.74,36.03 51.57,37.2 v12(50.73,37.2)
CPU_UART2_TXD: length 21.2
  SIGNAL-L3 w0.1: v12(59.3,44.26) 59.3,43.37 58.02,42.09 58.02,41.84 57.55,41.38 57.09,41.38 55.5,39.79 55.5,35.98 55.08,35.57 53.37,35.57 52.87,35.06 v12(50.75,35.06)
  BOTTOM w0.3: R335.1 53.7,34.7 54.59,33.81 v14(56.33,33.81)
CPU_UART3_RXD: length 23
  SIGNAL-L8 w0.1: v11(62.45,47.74) 62.98,48.27 67.64,48.27 68.72,49.36 68.72,54.39 70.33,56 71.39,56 73.09,57.7 73.09,60.43 v17(71.32,62.2)
CPU_UART3_TXD: length 22.3
  SIGNAL-L8 w0.1: v17(71.32,61.4) 72.53,60.19 72.53,58.06 71.08,56.61 70.05,56.61 68.36,54.92 68.36,49.76 67.16,48.56 62.21,48.56 v6(61.39,47.73)
CPU_UART4_RXD: length 26.6
  SIGNAL-L7 w0.1: v14(64.26,47.74) 65.28,48.77 67.06,48.77 68.5,50.22 68.5,60.25 67.87,60.88 67.87,61.55 67.6,61.82 67.6,63.32 69.69,65.41 70.31,65.41 70.53,65.2 70.53,64.51 70.91,64.13 70.91,63.65 71.25,63.31 71.72,63.31 72.12,62.91 v13(72.12,62.2)